# Altium PCB Farmduino.PcbDoc (part 2 of 3)
Units mm, origin at the board's own origin, x right, y up, seen from the top; angles counter-clockwise.
Board outline 134.37 x 105.55 mm, 4 copper layers (TOP, GND, VCC, BOTTOM), stack 0.844 mm thick; 272 components, 240 nets, 1041 pads, 348 vias.
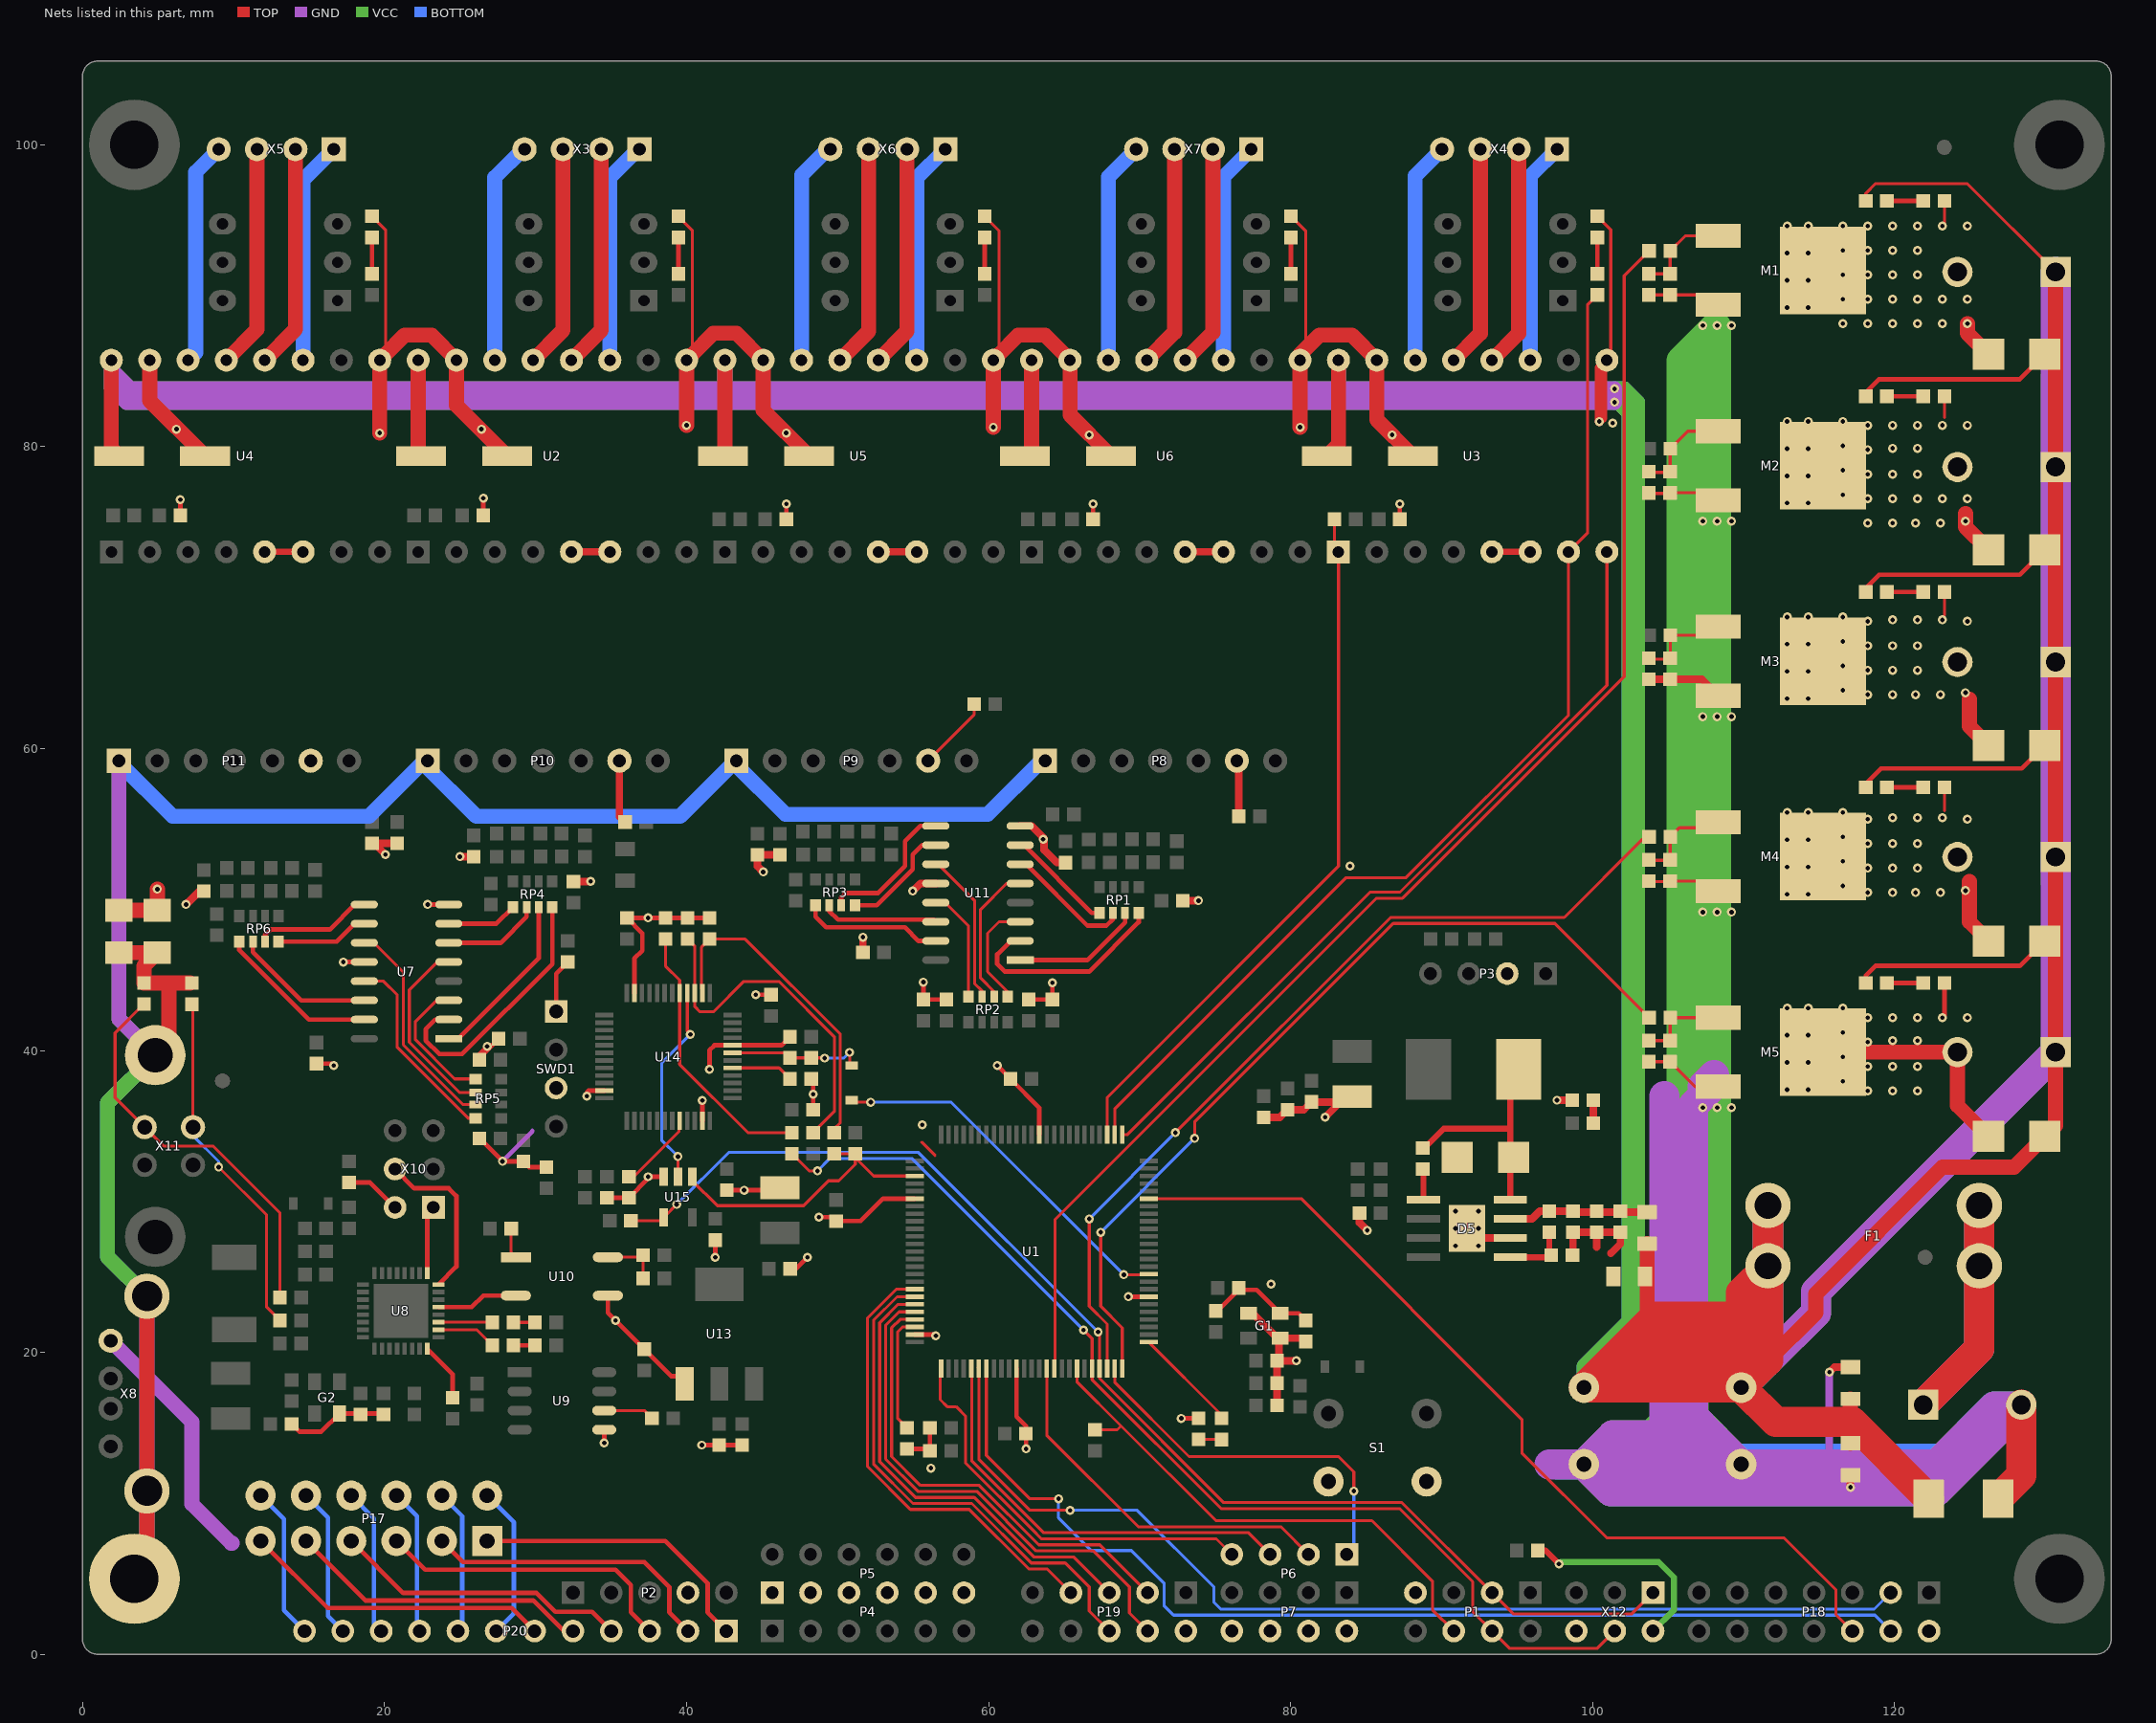
[diagram p4: the nets of this part, all layers, seen from the top]

## Via types
v1: diameter 0.6, hole 0.3, TOP to BOTTOM, 348 vias

## Nets (pads, with @x,y where several pads share a name; then routed paths per layer and width w, separated by ;. In a path a pad name is that pad's centre, name@x,y a point inside that pad or via, vN(x,y) a via of type N, cw(c..) or ccw(c..) an arc to the next point about the centre after c; other vN are vias at no path point) (continued)
24V: C8.1 C9.1 C10.1 C11.1 C12.1 C19.1 C20.1 C21.1 D2.2 E2.1 E3.1 F1.1 L3.1 P12.1 P13.1 P14.1 P15.1 P16.1 R2.1 R3.1 R4.1 R5.1 R24.1 U2.16 U3.16 U4.16 U5.16 U6.16 V1.2 V2.2 V3.2 V4.2 V5.2 | length 1189.5
  TOP w0.2: R24.1@118.102,96.546 118.102,96.79 118.737,97.425 124.833,97.425 P12.1@130.675,91.583
  TOP w0.3: R5.1@118.102,44.73 118.102,44.974 118.737,45.609 128.309,45.609 V4.2@129.96,47.26 ; R4.1@118.102,57.684 119.107,58.69 128.436,58.69 V3.2@129.96,60.214 ; R3.1@118.102,70.638 118.98,71.517 128.309,71.517 V2.2@129.96,73.168 ; R2.1@118.102,83.592 118.98,84.471 128.309,84.471 V1.2@129.96,86.122 ; 123.182,32.274 123.309,32.401
  TOP w1: U4.16@1.897,85.74 1.897,79.899 C12.1@2.405,79.391 ; C11.1@22.217,79.581 U2.16@22.217,85.74 ; C10.1@42.537,79.518 U5.16@42.537,85.74 ; C9.1@62.413,79.391 62.857,79.835 U6.16@62.857,85.74 ; C8.1@82.415,79.391 83.177,80.153 U3.16@83.177,85.74 ; 103.621,21.857 L3.1@103.621,27.204 ; 111.625,19.447 114.8,22.622 114.8,23.892 123.182,32.274 127.928,32.274 V5.2@129.96,34.306 130.675,35.021 P16.1@130.675,39.894 V4.2@130.675,47.975 ; C21.1@117.083,13.975 117.083,15.383 C20.1@117.083,16.917 ; V4.2@129.96,47.26 V4.2@130.675,47.975 ; V3.2@129.96,60.214 V3.2@130.675,60.929 ; V2.2@129.96,73.168 V2.2@130.675,73.883 ; V1.2@129.96,86.122 V1.2@130.675,86.837 ; P12.1@130.675,91.583 V1.2@130.675,86.837 ; V4.2@130.675,47.975 P15.1@130.675,52.816 V3.2@130.675,60.929 ; V3.2@130.675,60.929 P14.1@130.675,65.738 V2.2@130.675,73.883 ; V2.2@130.675,73.883 P13.1@130.675,78.661 V1.2@130.675,86.837
  TOP w2: F1.1@111.625,29.734 F1.1@111.625,25.734 ; D2.2@122.286,10.303 117.206,15.383 117.083,15.383 112.133,15.383 E3.1@109.847,17.669 ; 101.084,19.32 109.847,19.32 ; 101.084,19.32 102.608,20.844 ; 101.084,19.32 E2.1@99.433,17.669 E3.1@109.847,17.669 ; 102.608,20.844 103.621,21.857 104.132,22.368 109.847,22.368 ; 102.608,20.844 109.847,20.844 ; E3.1@109.847,17.669 109.847,19.32 ; E3.1@109.847,17.669 111.498,19.32 ; 109.847,19.32 111.498,19.32 ; 109.847,19.32 109.847,20.844 ; 109.847,20.844 109.847,22.368 ; 109.847,22.368 109.847,23.956 F1.1@111.625,25.734 ; 111.498,19.32 111.625,19.447 F1.1@111.625,25.734
  GND w1: U4.16@1.897,85.74 U4.16@1.897,85.106 ; U2.16@22.217,85.74 22.217,83.836 ; 42.537,84.09 U5.16@42.537,85.74 ; U6.16@62.857,85.74 62.857,83.836 ; U3.16@83.177,85.74 83.177,83.836 ; U4.16@1.897,85.106 1.897,83.963 2.913,82.947 v1(101.465,82.947) v1(101.465,83.836) 83.177,83.836 ; U4.16@1.897,85.106 3.167,83.836 22.217,83.836 ; 22.217,83.836 62.857,83.836 ; 62.857,83.836 83.177,83.836
  GND w2: E3.1@109.847,17.669 111.625,19.447 ; F1.1@111.625,29.734 F1.1@111.625,25.734 111.625,19.447 ; P12.1@130.675,91.583 P13.1@130.675,78.661 P14.1@130.675,65.738 P15.1@130.675,52.816 P16.1@130.675,39.894 114.8,24.019 114.8,22.622 111.625,19.447
  VCC w0.2: F1.1@111.625,29.099 F1.1@111.625,29.734 F1.1@111.625,29.988
  VCC w1: U4.16@1.897,85.74 U4.16@1.897,85.106 ; U2.16@22.217,85.74 22.217,83.836 ; 42.537,83.963 U5.16@42.537,85.74 ; U6.16@62.857,85.74 62.857,83.836 ; U3.16@83.177,85.74 83.177,83.836 ; U4.16@1.897,85.106 1.897,83.963 2.913,82.947 v1(101.465,82.947) 101.719,82.947 102.419,82.247 102.419,22.052 99.433,19.066 E2.1@99.433,17.669 102.989,21.225 102.989,82.947 102.1,83.836 v1(101.465,83.836) 83.177,83.836 ; U4.16@1.897,85.106 3.167,83.836 22.217,83.836 ; 22.217,83.836 62.857,83.836 ; 62.857,83.836 83.177,83.836
  VCC w2: E3.1@109.847,17.669 111.625,19.447 ; F1.1@111.625,29.099 F1.1@111.625,25.734 111.625,19.447 ; P16.1@130.675,39.894 114.8,24.019 114.8,22.622 111.625,19.447 ; 130.675,51.1 P15.1@130.675,52.816 P14.1@130.675,65.738 P13.1@130.675,78.661 130.675,84.687
  BOTTOM w1: P16.1@130.644,39.925 130.644,84.718 ; P13.1@130.675,78.661 P12.1@130.675,91.583 ; E2.1@99.433,17.669 99.433,19.066 102.419,22.052 102.419,82.247 101.719,82.947 v1(101.465,82.947) v1(101.465,83.836) 102.1,83.836 102.989,82.947 102.989,21.225 E2.1@99.433,17.669
/OE: R59.1 R66.1 U1.78 U15.1 | length 19.8
  TOP w0.2: U15.1@40.378,31.639 40.378,31.377 42.037,29.718 47.752,29.718 49.403,31.369 50.08,31.369 51.173,32.463 R66.1@51.173,32.909 ; R59.1@49.776,33.163 R66.1@50.919,33.163 ; U1.78@55.107,31.686 52.396,31.686 R66.1@51.173,32.909 ; R66.1@50.919,33.163 R66.1@51.173,33.163 R66.1@51.173,32.909 ; R66.1@50.919,33.163 R66.1@51.173,32.909
/RST_STM32: C75.2 D3.1 R58.2 U14.7 | length 9.2
  TOP w0.2: U14.7@43.045,39.846 46.768,39.846 C75.2@47.104,39.51 ; C75.2@46.855,39.51 C75.2@47.104,39.51 ; v1(49.149,39.497) 49.136,39.51 R58.2@48.26,39.51 C75.2@47.104,39.51 ; v1(50.8,39.878) 50.8,39.13 D3.1@50.927,39.003
  BOTTOM w0.2: v1(49.149,39.497) 50.419,39.497 v1(50.8,39.878)
/SS_U1: P1.6 R1.1 U1.19 | length 35.6
  TOP w0.2: U1.19@65.857,18.936 65.857,18.049 68.777,15.129 ; R1.1@67.048,14.875 68.523,14.875 68.777,15.129 ; P1.6@90.813,1.54 89.4,2.953 89.4,4.842 85.393,8.849 75.057,8.849 68.777,15.129
AREF: C2.1 U1.98 | length 7.9
  TOP w0.2: C2.1@54.602,15.002 53.986,15.618 53.986,21.371 54.301,21.686 U1.98@55.107,21.686
AUX_DIR(D41): U1.51 U3.8 | length 53.3
  TOP w0.2: U1.51@68.857,34.436 69.21,34.436 85.266,50.492 87.252,50.492 100.957,64.197 U3.8@100.957,73.04
AUX_EN(D37): R26.2 U1.53 U3.1 | length 47.2
  TOP w0.2: U1.53@67.857,34.436 67.857,36.893 83.177,52.213 U3.1@83.177,73.04 82.92,73.297 R26.2@82.92,75.2
AUX_STEP(D40): R51.1 U1.52 U3.7 | length 71.2
  TOP w0.2: U1.52@68.357,34.436 68.357,36.123 83.685,51.451 87.645,51.451 98.417,62.223 U3.7@98.417,73.04 99.687,74.31 99.687,89.424 R51.1@100.322,90.059
BOOT0: R57.2 U14.44 | length 5.3
  TOP w0.2: R57.2@36.187,31.642 36.515,31.642 39.495,34.622 39.495,35.296 U14.44@39.545,35.346
D4: P6.7 U1.1 | length 27.5
  TOP w0.2: U1.1@56.857,18.936 56.796,18.875 56.796,16.872 57.269,16.399 57.85,16.399 58.485,15.764 58.485,12.658 62.857,8.286 62.859,8.286 63.496,7.649 75.084,7.649 P6.7@76.113,6.62
D5: P6.5 U1.5 | length 28.5
  TOP w0.2: U1.5@58.857,18.936 58.885,18.908 58.885,12.826 63.662,8.049 77.224,8.049 P6.5@78.653,6.62
D6: P6.3 U1.15 | length 25
  TOP w0.2: U1.15@63.857,18.936 63.857,14.51 69.918,8.449 79.364,8.449 P6.3@81.193,6.62
D11: P6.1 U1.24 | length 24.9
  TOP w0.2: U1.24@68.357,18.936 68.357,18.02 73.28,13.097 83.177,13.097 84.193,12.081 v1(84.193,10.811)
  BOTTOM w0.2: P6.1@83.733,6.62 84.193,7.08 v1(84.193,10.811)
D+: R44.1 X11.3 Z2.2 | length 26.7
  TOP w0.2: Z2.2@4.056,43.077 2.151,41.172 2.151,36.877 X11.3@4.107,34.921 5.357,33.671 8.628,33.671 13.073,29.226 R44.1@13.073,23.638
D-: R43.1 X11.2 Z1.2 | length 23.4
  TOP w0.2: Z1.2@7.231,43.066 7.307,42.99 X11.2@7.307,34.921 ; v1(9.009,32.274) 12.184,29.099 12.184,23.003 R43.1@13.073,22.114
  BOTTOM w0.2: X11.2@7.307,34.921 7.307,34.357 9.009,32.655 v1(9.009,32.274)
DTR: U8.13 U10.2 | length 5.4
  TOP w0.3: U8.13@23.574,22.999 25.769,22.999 26.535,23.765 U10.2@28.694,23.765
GND: AUX.2 C1.2 C2.2 C3.2 C4.1 C5.2 C6.2 C7.2 C8.2 C9.2 C10.2 C11.2 C12.2 C13.2 C14.2 C15.1 C16.1 C17.1 C18.1 C19.2 C20.2 C21.2 C26.2 C28.1 C33.2 C34.2 C37.2 C39.1 C40.1 C41.1 C42.1 C46.1 C48.1 C49.1 C52.1 C53.2 C54.1 C55.2 C56.1 C57.1 C58.2 C61.2 C62.2 C63.2 C64.2 C65.2 C66.2 C68.2 C69.1 C70.1 C71.1 C72.1 C73.1 C74.2 C75.1 C76.2 D2.1 D5.6 D5.9 E1.2 E2.2 E3.2 E5.2 G1.2 G1.4 GRE1.2 M1.3 M2.3 M3.3 M4.3 M5.3 P1.7 P2.4 P3.2 P4.2 P4.4 P4.6 P4.8 P4.10 P4.12 P5.1 P5.3 P5.5 P5.7 P5.9 P5.11 P7.2 P7.4 P7.6 P7.8 P8.6 P9.6 P10.6 P11.6 P18.2 P19.2 R11.1 R12.1 R13.2 R14.1 R15.1 R27.2 R28.2 R32.2 R33.2 R34.2 R49.1 R56.1 R57.1 R62.1 R63.1 R64.1 R67.2 R69.2 R78.2 R85.2 R86.2 R92.2 R93.2 R98.2 R99.2 R104.2 R105.2 RED6.2 S1.1 SWD1.3 U1.11 U1.32 U1.62 U1.81 U1.99 U2.9 U2.15 U3.9 U3.15 U4.9 U4.15 U5.9 U5.15 U6.9 U6.15 U7.8 U7.12 U9.5 U10.3 U11.8 U11.12 U13.1 U14.8 U14.23 U14.35 U14.47 U15.3 V6.1 X1.2 X2.2 X8.4 X9.2 X12.6 Y.2 Z.2 | length 877
  TOP w0.2: X1.2@19.169,95.269 20.058,94.38 U4.9@20.058,86.121 ; X2.2@39.457,95.269 40.378,94.348 U2.9@40.378,86.121 ; P9.6@55.999,59.198 59.044,62.243 C74.2@59.044,62.941 ; Y.2@59.746,95.269 60.698,94.316 U5.9@60.698,86.121 ; Z.2@80.034,95.269 81.018,94.285 81.018,86.503 ; AUX.2@100.322,95.269 101.211,94.38 101.211,85.994 U3.9@100.957,85.74 ; R15.1@103.728,39.259 C73.1@105.148,39.259 106.799,37.608 M5.3@108.323,37.608 ; R14.1@103.728,51.197 C72.1@105.116,51.197 ; R12.1@103.751,76.904 105.106,76.904 C70.1@105.148,76.946 107.832,76.946 M2.3@108.323,76.455 ; R11.1@103.751,90.059 C69.1@105.148,90.059 107.668,90.059 M1.3@108.323,89.404 ; C72.1@105.148,51.229 M4.3@107.651,51.229
  TOP w0.203: 55.566,33.925 56.455,33.036
  TOP w0.3: R32.2@6.472,75.454 v1(6.472,76.491) ; C33.2@15.486,39.129 16.505,39.129 v1(16.629,39.005) ; v1(17.264,45.863) U7.12@18.661,45.863 ; v1(22.852,49.673) U7.8@24.304,49.673 ; C52.1@26.281,34.179 v1(27.805,32.655) C54.1@29.202,32.655 29.583,32.274 C46.1@30.726,32.274 ; C56.1@26.281,39.267 C56.1@26.281,39.386 C56.1@26.281,39.512 ; R27.2@26.538,75.454 v1(26.538,76.594) ; v1(26.789,40.275) 26.281,39.767 C56.1@26.281,39.512 ; C57.1@27.552,40.783 C56.1@26.281,39.512 ; v1(33.393,36.973) 33.393,37.227 33.512,37.346 U14.35@34.545,37.346 ; v1(34.548,13.998) U9.5@34.548,14.875 ; R56.1@34.727,30.242 R57.1@36.187,30.242 37.457,31.512 v1(37.457,31.639) U15.3@38.478,31.639 ; U10.3@34.794,23.765 34.794,22.621 v1@35.3,22.115 ; v1(35.298,22.114) v1@35.3,22.115 ; U14.23@36.545,43.803 36.545,46.094 37.076,46.625 37.076,47.768 C49.1@36.06,48.784 v1(37.457,48.784) R62.1@38.6,48.784 R63.1@40.061,48.784 R64.1@41.521,48.784 ; U13.1@39.875,18.421 38.994,18.421 C26.2@37.203,20.212 v1@35.3,22.115 ; v1(41.013,13.859) C48.1@42.156,13.859 ; U14.47@41.045,35.346 v1(41.045,36.687) ; v1(41.521,38.751) 41.521,40.021 41.846,40.346 U14.8@43.045,40.346 46.291,40.346 C75.1@46.855,40.91 ; v1(41.902,26.305) C3.2@41.902,27.445 ; C48.1@42.159,13.856 C61.2@43.68,13.856 ; C55.2@42.664,30.747 v1(43.807,30.747) E5.2@46.036,30.747 ; v1(44.58,43.691) C76.2@45.593,43.691 ; R33.2@46.604,75.2 v1(46.604,76.213) ; C62.2@46.858,25.543 47.236,25.543 v1(47.998,26.305) ; R67.2@48.255,38.116 48.382,37.989 v1(48.382,37.097) C53.2@48.382,36.084 ; v1(48.768,28.956) 49.654,28.956 C65.2@49.911,28.699 51.534,28.699 53.021,30.186 U1.81@55.107,30.186 ; C2.2@54.602,13.602 C5.2@55.999,13.602 ; U1.99@55.107,21.186 56.419,21.186 v1(56.507,21.098) ; v1(55.682,44.53) C40.1@55.682,43.374 C39.1@57.206,43.374 ; C5.2@56.123,13.478 C6.2@56.123,15.002 ; v1(60.571,39.002) C64.2@61.457,38.116 63.357,36.216 U1.62@63.357,34.436 ; 61.857,17.034 61.857,15.748 ; U1.11@61.857,18.936 61.857,15.748 ; v1(62.479,13.608) C66.2@62.479,14.621 62.479,15.126 61.857,15.748 ; C41.1@62.667,43.374 C42.1@64.233,43.374 v1(64.233,44.487) ; R34.2@66.924,75.2 v1(66.924,76.213) ; v1(69.255,23.686) U1.32@70.607,23.686 ; v1(72.768,15.632) GRE1.2@73.912,15.632 ; R28.2@87.244,75.2 v1(87.244,76.213) ; D5.9@91.686,28.21 D5.9@92.321,27.575
  TOP w0.5: v1(6.85,49.673) 7.737,50.56 R104.2@8.025,50.56 ; C14.2@19.169,53.734 C14.2@19.299,53.734 ; v1(20.058,52.975) C14.2@19.299,53.734 ; R105.2@20.82,53.734 C14.2@19.299,53.734 ; v1(24.985,52.845) R98.2@25.9,52.845 ; R99.2@32.504,51.2 v1(33.644,51.2) ; P10.6@35.552,59.071 35.552,55.512 C34.2@35.93,55.134 ; v1(45.077,51.832) 44.696,52.213 R93.2@44.696,52.967 R92.2@46.187,52.967 ; C68.2@51.678,46.498 v1@51.678,47.511 ; v1(54.983,50.562) 55.491,51.07 U11.12@56.507,51.07 ; U11.8@62.095,54.88 62.857,54.88 v1@63.683,54.054 ; v1(63.619,53.991) v1@63.683,54.054 ; R85.2@65.107,52.449 64.526,52.449 63.683,53.292 v1@63.683,54.054 ; R86.2@72.857,49.927 v1(73.906,49.927) ; C58.2@76.57,55.515 P8.6@76.57,58.947 ; G1.4@77.215,22.59 77.494,22.59 79.144,20.94 G1.2@79.315,20.94 ; C16.1@78.224,35.576 79.304,35.576 C17.1@79.812,36.084 80.891,36.084 C18.1@81.399,36.592 E1.2@83.304,36.592 ; C7.2@79.116,16.484 C63.2@79.116,17.965 79.116,19.32 C1.2@79.243,19.447 ; v1(80.383,19.447) C1.2@79.243,19.447 ; C4.1@81.018,20.717 80.795,20.94 G1.2@79.315,20.94 ; v1(82.288,35.576) E1.2@83.304,36.592 ; E1.2@84.091,36.945 83.657,36.945 E1.2@83.304,36.592 ; R78.2@84.571,29.226 84.571,28.594 v1(85.082,28.083) ; D5.9@92.321,27.575 D5.6@94.561,27.575 ; v1(97.649,36.708) RED6.2@98.662,36.708 ; R69.2@98.674,26.432 98.713,26.471 C15.1@98.713,27.956 C13.2@101.843,27.956 ; 100.28,26.982 C37.2@100.28,27.953 ; 101.211,26.559 101.846,27.194 C13.2@101.846,27.953 ; R13.2@103.728,64.59 107.239,64.59 M3.3@108.323,63.506 ; v1(115.689,18.685) 116.021,19.017 C20.2@117.083,19.017 ; v1(117.083,11.068) C21.2@117.083,11.875 ; C1.2@79.243,19.447 79.243,20.868 G1.2@79.315,20.94
  TOP w0.6: U3.9@100.957,85.74 U3.9@100.665,85.448 ; U3.9@100.665,85.448 100.449,85.232 v1(100.449,81.677) 100.665,81.893 U3.9@100.665,85.448
  TOP w1: C28.1@2.405,49.292 R49.1@4.945,49.292 v1(4.945,50.689) ; U4.15@4.437,85.74 4.437,83.059 C12.2@8.105,79.391 ; v1(19.677,80.915) U4.9@19.677,85.74 20.058,86.121 21.329,87.392 23.105,87.392 U2.15@24.757,85.74 24.757,82.741 C11.2@28.108,79.391 ; v1(39.997,81.423) U2.9@39.997,85.74 40.378,86.121 41.776,87.519 43.298,87.519 U5.15@45.077,85.74 45.077,82.424 C10.2@48.11,79.391 ; v1(60.317,81.296) U5.9@60.317,85.74 60.698,86.121 61.969,87.392 63.745,87.392 U6.15@65.397,85.74 65.397,82.106 C9.2@68.113,79.391 ; v1(80.637,81.296) U6.9@80.637,85.74 80.637,86.122 81.018,86.503 81.907,87.392 84.065,87.392 U3.15@85.717,85.74 85.717,81.789 C8.2@88.115,79.391
  TOP w2: D2.1@126.858,10.303 128.412,11.857 X9.2@128.412,16.526
  GND w0.3: v1(27.805,32.655) 29.785,34.635 29.785,34.687
  GND w0.5: 115.689,12.843 v1(115.689,18.685)
  GND w1: X8.4@1.858,20.772 7.239,15.391 7.239,9.955 9.828,7.366 9.891,7.366
  GND w2: 97.156,12.589 E2.2@99.433,12.589 ; 104.767,36.973 104.767,15.002 105.275,14.494 ; 107.307,37.608 108.069,38.37 ; 107.942,37.735 107.942,37.608 106.672,36.338 106.672,15.764 107.942,14.494 ; E2.2@99.433,12.589 101.211,10.811 122.801,10.811 128.412,16.422 126.634,16.422 122.801,12.589 E3.2@109.847,12.589 ; E2.2@99.433,12.589 101.338,14.494 105.275,14.494 ; E2.2@99.433,12.589 107.18,12.589 ; 105.275,14.494 107.18,12.589 ; 105.275,14.494 107.942,14.494 ; 107.18,12.589 E3.2@109.847,12.589 ; 107.942,14.494 E3.2@109.847,12.589
  VCC w2: 108.133,14.303 106.704,15.732 ; E2.2@99.433,12.589 107.688,12.589 ; E2.2@99.433,12.589 101.338,14.494 103.878,14.494 ; E2.2@99.433,12.589 101.211,10.811 122.801,10.811 128.412,16.422 126.634,16.422 122.801,12.589 E3.2@109.847,12.589 ; 103.878,14.494 105.91,14.494 ; 103.878,14.494 105.91,16.526 ; 105.91,14.494 105.91,16.526 ; 105.91,14.494 105.91,14.367 107.688,12.589 ; 105.91,16.526 106.704,15.732 ; 105.91,16.526 105.91,19.574 ; 105.91,19.574 106.704,20.368 ; 105.91,19.574 105.91,85.677 106.704,86.471 ; 106.704,15.732 E3.2@109.847,12.589 ; 106.704,15.732 106.704,20.368 ; 106.704,20.368 108.196,21.86 108.196,87.963 106.704,86.471 ; 106.704,20.368 106.704,86.471 ; 107.688,12.589 E3.2@109.847,12.589
  BOTTOM w2: 97.691,12.589 E2.2@99.433,12.589 ; X9.2@128.135,16.145 122.801,10.811 101.211,10.811 E2.2@99.433,12.589 ; E2.2@99.433,12.589 E3.2@109.847,12.589 122.801,12.589 123.182,12.97 ; E2.2@99.433,12.589 99.814,12.97 123.182,12.97 ; 123.182,12.97 126.611,16.399 128.135,16.399 124.706,12.97 123.182,12.97
  other v1: 56.175,12.335 78.708,24.527 90.924,27.067 92.448,27.067 90.924,28.21 92.448,28.21 90.924,29.353 92.448,29.353 55.618,35.082 107.307,36.211 108.26,36.211 109.212,36.211 51.681,47.514 107.307,49.165 108.26,49.165 109.212,49.165 83.939,52.213 107.307,62.119 108.26,62.119 109.212,62.119 107.307,75.073 108.26,75.073 109.212,75.073 66.667,80.788 86.733,80.788 46.601,80.915 6.215,81.169 26.408,81.169 101.338,81.569 107.307,88.027 108.26,88.027 109.212,88.027
LED(D13): R21.1 U1.26 | length 7.1
  TOP w0.2: U1.26@70.607,20.686 75.436,15.857 R21.1@75.436,15.629
LIGHTING(D7): R6.1 U1.16 | length 91.1
  TOP w0.2: U1.16@64.407,19.193 64.407,28.802 85.697,50.092 87.418,50.092 102.1,64.774 102.1,91.329 R6.1@103.751,92.98
MISO_U1: P1.3 R68.1 U1.22 U15.4 X12.1 | length 84.4
  TOP w0.2: R68.1@36.314,28.718 U15.4@38.257,28.718 ; U15.4@38.478,28.939 v1(39.343,29.804) ; v1(67.257,21.356) 67.357,21.256 U1.22@67.357,18.936 67.357,18.262 75.57,10.049 87.384,10.049 P1.3@93.353,4.08 94.75,2.683 102.616,2.683 X12.1@104.013,4.08
  GND w0.2: v1@67.175,21.438 v1(67.257,21.356)
  BOTTOM w0.2: v1(39.343,29.804) 42.788,33.249 55.364,33.249 v1(67.257,21.356)
MISO_U4: U8.17 X10.1 | length 4.5
  TOP w0.3: U8.17@22.824,25.249 22.824,29.198 X10.1@23.233,29.607
MOSI_U1: P1.4 R61.1 U1.21 X12.4 | length 72
  TOP w0.2: R61.1@46.982,33.163 48.125,32.02 v1(48.664,32.02) ; v1(66.286,21.479) 66.857,20.908 U1.21@66.857,18.936 66.857,18.196 75.404,9.649 87.218,9.649 92.067,4.8 92.067,2.826 P1.4@93.353,1.54 94.496,0.397 100.33,0.397 X12.4@101.473,1.54
  BOTTOM w0.2: v1(48.664,32.02) 49.493,32.849 54.916,32.849 v1(66.286,21.479)
MOSI_U4: U8.16 X10.4 | length 11.2
  TOP w0.3: X10.4@20.693,32.147 21.963,30.877 24.249,30.877 24.757,30.369 24.757,25.682 U8.16@23.574,24.499
NetAUX_1: AUX.1 R51.2 | length 2.4
  TOP w0.3: R51.2@100.322,91.459 AUX.1@100.322,93.869
NetC4_2: C4.2 G1.3 R18.2 R19.1 | length 7.4
  TOP w0.3: R18.2@75.049,22.752 75.179,22.752 76.573,24.146 77.759,24.146 G1.3@79.315,22.59 80.545,22.59 C4.2@81.018,22.117
NetC13_1: C13.1 C15.2 C37.1 D5.7 L3.2 R77.1 | length 9.5
  TOP w0.5: D5.7@94.561,28.845 96.004,28.845 96.512,29.353 R77.1@97.147,29.353 97.15,29.356 C15.2@98.713,29.356 ; C15.2@98.713,29.565 C15.2@98.713,29.356 ; L3.2@103.621,29.304 98.765,29.304 C15.2@98.713,29.356
NetC24_1: C24.1 G2.3 R39.2 R42.1 | length 6.8
  TOP w0.3: C24.1@13.835,15.256 14.343,14.748 15.807,14.748 G2.3@17.009,15.95 19.872,15.95 R42.1@19.931,15.891
NetC27_2: C27.2 R47.1 U10.4 | length 3.9
  TOP w0.2: U10.4@34.794,26.305 37.002,26.305 37.126,26.429 R47.1@37.126,24.908
NetC43_1: C43.1 D5.8 L1.1 V6.2 | length 15.2
  TOP w0.4: C43.1@88.765,33.544 88.892,33.544 90.162,34.814 94.561,34.814 ; D5.8@94.561,30.115 94.561,34.814 ; L1.1@95.115,38.751 94.561,38.197 94.561,34.814
NetC43_2: C43.2 D5.1 | length 2
  TOP w0.4: D5.1@88.811,30.115 C43.2@88.811,32.098
NetC69_2: C69.2 M1.1 R6.2 R11.2 | length 6.5
  TOP w0.2: R11.2@103.751,91.459 C69.2@105.148,91.459 105.148,92.977 R6.2@105.151,92.98 106.147,93.976 M1.1@108.323,93.976
NetC70_2: C70.2 M2.1 R7.2 R12.2 | length 6.5
  TOP w0.2: R12.2@103.751,78.304 C70.2@105.106,78.304 ; C70.2@105.148,78.346 105.148,79.864 R7.2@105.151,79.867 106.311,81.027 M2.1@108.323,81.027
NetC71_2: C71.2 M3.1 R8.2 R13.1 | length 6.3
  TOP w0.2: R13.1@103.728,65.929 C71.2@105.082,65.929 ; C71.2@105.148,65.995 105.151,65.998 R8.2@105.151,67.516 107.762,67.516 M3.1@108.323,68.078
NetC72_2: C72.2 M4.1 R9.2 R14.2 | length 6.5
  TOP w0.2: R14.2@103.728,52.597 C72.2@105.116,52.597 ; C72.2@105.148,52.629 R9.2@105.148,54.147 ; R9.2@105.151,54.15 105.754,54.753 107.947,54.753 M4.1@108.323,55.129
NetC73_2: C73.2 M5.1 R10.2 R15.2 | length 6.4
  TOP w0.2: R15.2@103.728,40.659 C73.2@105.148,40.659 105.148,42.177 R10.2@105.151,42.18 ; R10.2@104.897,42.18 M5.1@108.323,42.18
NetD3_2: D3.2 U1.35 | length 24.5
  TOP w0.2: D3.2@50.927,36.703 51.054,36.576 v1(52.197,36.576) ; v1(68.961,25.146) 70.567,25.146 U1.35@70.607,25.186
  BOTTOM w0.2: v1(52.197,36.576) 57.531,36.576 v1(68.961,25.146)
NetD5_5: D5.5 R69.1 R77.2 | length 4.3
  TOP w0.4: D5.5@94.561,26.305 97.147,26.305 R69.1@97.274,26.432 97.147,26.559 R77.2@97.147,27.953
NetF1_2: F1.2 X9.1 | length 59
  TOP w2: X9.1@121.912,16.526 125.625,20.239 F1.2@125.625,25.734 F1.2@125.625,29.734
  GND w2: X9.1@121.912,16.526 125.625,20.239 F1.2@125.625,25.734 F1.2@125.625,29.734
  VCC w2: X9.1@121.912,16.526 125.625,20.239 F1.2@125.625,25.734 F1.2@125.625,29.734
  BOTTOM w2: X9.1@121.912,16.526 125.625,20.239 F1.2@125.625,25.734 F1.2@125.625,29.734
NetGRE1_1: GRE1.1 R21.2 | length 1.5
  TOP w0.2: GRE1.1@73.912,14.232 R21.2@75.433,14.232
NetLED1_1: LED1.1 R24.2 | length 2.4
  TOP w0.3: R24.2@119.502,96.292 LED1.1@121.912,96.292
NetLED1_2: LED1.2 M1.4 P12.2 V1.1 | length 4.4
  TOP w0.2: v1@123.312,94.761 LED1.2@123.312,96.546
  TOP w1: v1(124.833,88.154) 124.833,87.519 V1.1@126.23,86.122
  other v1: 116.578,88.154 118.229,88.154 119.88,88.154 121.531,88.154 123.182,88.154 112.895,89.221 114.292,89.221 116.578,89.773 118.229,89.773 119.88,89.773 121.531,89.773 123.182,89.773 124.833,89.773 112.895,91.024 114.292,91.024 116.578,91.392 118.229,91.392 119.88,91.392 121.531,91.392 112.895,92.827 114.292,92.827 116.578,93.012 118.229,93.012 119.88,93.012 121.531,93.012 112.895,94.631 114.292,94.631 116.578,94.631 118.229,94.631 119.88,94.631 121.531,94.631 123.182,94.631 124.833,94.631
NetLED2_1: LED2.1 R2.2 | length 2.4
  TOP w0.3: R2.2@119.502,83.338 LED2.1@121.912,83.338
NetLED2_2: LED2.2 M2.4 P13.2 V2.1 | length 4.7
  TOP w0.2: 123.312,81.934 LED2.2@123.312,83.592
  TOP w1: 124.706,75.581 124.706,74.692 V2.1@126.23,73.168
  other v1: 118.229,74.946 119.88,74.946 121.404,74.946 123.055,74.946 124.706,75.073 112.895,76.267 114.292,76.267 118.229,76.565 119.88,76.565 121.531,76.565 123.182,76.565 124.833,76.565 116.578,76.819 112.895,78.07 114.292,78.07 118.229,78.184 119.88,78.184 121.531,78.184 116.578,78.438 118.229,79.804 112.895,79.873 114.292,79.873 119.88,79.899 121.531,79.899 116.578,80.058 118.229,81.423 119.88,81.423 121.531,81.423 123.182,81.423 124.833,81.423 112.895,81.677 114.292,81.677 116.578,81.677
NetLED3_1: LED3.1 R3.2 | length 2.4
  TOP w0.3: R3.2@119.502,70.384 LED3.1@121.912,70.384
NetLED3_2: LED3.2 M3.4 P14.2 V3.1 | length 5.4
  TOP w0.2: 123.312,68.853 LED3.2@123.312,70.638
  TOP w1: 124.96,63.262 124.96,61.484 V3.1@126.23,60.214
  other v1: 112.895,63.313 114.292,63.313 118.229,63.576 119.88,63.576 121.404,63.576 123.055,63.576 124.706,63.703 116.578,63.865 112.895,65.116 114.292,65.116 118.229,65.195 119.88,65.195 121.531,65.195 116.578,65.484 118.229,66.814 119.88,66.814 121.531,66.814 112.895,66.919 114.292,66.919 116.578,67.104 118.229,68.434 124.833,68.434 119.88,68.529 121.531,68.529 123.182,68.529 112.895,68.723 114.292,68.723 116.578,68.723
NetLED4_1: LED4.1 R4.2 | length 2.4
  TOP w0.3: R4.2@119.502,57.43 LED4.1@121.912,57.43
NetLED4_2: LED4.2 M4.4 P15.2 V4.1 | length 6.2
  TOP w0.2: 123.312,55.899 LED4.2@123.312,57.684
  TOP w1: 124.96,51.197 124.96,48.53 V4.1@126.23,47.26
  other v1: 112.895,50.359 114.292,50.359 118.229,50.465 119.88,50.465 121.404,50.465 123.055,50.465 124.706,50.592 116.578,50.911 118.229,52.084 119.88,52.084 121.531,52.084 112.895,52.162 114.292,52.162 116.578,52.53 118.229,53.703 119.88,53.703 121.531,53.703 112.895,53.965 114.292,53.965 116.578,54.15 118.229,55.323 124.833,55.323 119.88,55.418 121.531,55.418 123.182,55.418 112.895,55.769 114.292,55.769 116.578,55.769
NetLED5_1: LED5.1 R5.2 | length 2.4
  TOP w0.3: R5.2@119.502,44.466 LED5.1@121.912,44.466
NetLED5_2: LED5.2 M5.4 P16.2 V5.1 | length 17.8
  TOP w0.3: v1@123.312,42.31 LED5.2@123.312,44.73
  TOP w1: M5.4@115.263,39.894 P16.2@124.175,39.894 124.175,36.361 V5.1@126.23,34.306
  other v1: 118.229,37.322 119.88,37.322 121.531,37.322 112.895,37.405 114.292,37.405 116.578,37.957 118.229,38.941 119.88,38.941 121.531,38.941 112.895,39.208 114.292,39.208 116.578,39.576 118.229,40.561 119.88,40.656 121.531,40.656 112.895,41.011 114.292,41.011 116.578,41.196 118.229,42.18 119.88,42.18 121.531,42.18 123.182,42.18 124.833,42.18 112.895,42.815 114.292,42.815 116.578,42.815
NetP17_1: P17.1 P20.1 | length 19.5
  TOP w0.3: P17.1@26.789,7.509 38.6,7.509 41.394,4.715 41.394,2.779 P20.1@42.633,1.54
NetP17_2: P17.2 P20.2 | length 19.8
  TOP w0.3: P17.2@23.789,7.509 25.194,6.104 37.211,6.104 38.854,4.461 38.854,2.779 P20.2@40.093,1.54
NetP17_3: P17.3 P20.3 | length 20.3
  TOP w0.3: P17.3@20.789,7.509 22.694,5.604 35.298,5.604 36.314,4.588 36.314,2.779 P20.3@37.553,1.54
NetP17_4: P17.4 P20.4 | length 19.7
  TOP w0.3: P17.4@17.789,7.509 21.234,4.064 30.052,4.064 31.306,2.81 33.743,2.81 P20.4@35.013,1.54
NetP17_5: P17.5 P20.5 | length 20.2
  TOP w0.3: P17.5@14.789,7.509 18.734,3.564 29.845,3.564 31.869,1.54 P20.5@32.473,1.54
NetP17_6: P17.6 P20.6 | length 20.6
  TOP w0.3: P17.6@11.789,7.509 16.234,3.064 28.409,3.064 P20.6@29.933,1.54
NetP17_7: P17.7 P20.7 | length 10.2
  BOTTOM w0.3: P17.7@26.789,10.509 28.567,8.731 28.567,2.714 P20.7@27.393,1.54
NetP17_8: P17.8 P20.8 | length 9.6
  BOTTOM w0.3: P17.8@23.789,10.509 25.139,9.159 25.139,1.826 P20.8@24.853,1.54
NetP17_9: P17.9 P20.9 | length 9.6
  BOTTOM w0.3: P17.9@20.789,10.509 22.139,9.159 22.139,1.714 P20.9@22.313,1.54
NetP17_10: P17.10 P20.10 | length 9.8
  BOTTOM w0.3: P17.10@17.789,10.509 19.296,9.002 19.296,2.017 P20.10@19.773,1.54
NetP17_11: P17.11 P20.11 | length 10
  BOTTOM w0.3: P17.11@14.789,10.509 16.248,9.05 16.248,2.525 P20.11@17.233,1.54
NetP17_12: P17.12 P20.12 | length 10.2
  BOTTOM w0.3: P17.12@11.789,10.509 13.327,8.971 13.327,2.906 P20.12@14.693,1.54
NetR22_2: R22.2 X1.1 | length 2.4
  TOP w0.3: R22.2@19.169,91.459 X1.1@19.169,93.869
NetR23_2: R23.2 RED6.1 | length 1.5
  TOP w0.5: RED6.1@100.062,36.708 100.065,36.705 R23.2@100.065,35.184
NetR35_2: R35.2 X2.1 | length 2.4
  TOP w0.3: R35.2@39.457,91.459 X2.1@39.457,93.869
NetR36_2: R36.2 Y.1 | length 2.4
  TOP w0.3: R36.2@59.746,91.459 Y.1@59.746,93.869
NetR37_2: R37.2 Z.1 | length 2.4
  TOP w0.3: R37.2@80.034,91.459 Z.1@80.034,93.869
NetR40_1: R40.1 TX.2 | length 1.4
  TOP w0.2: R40.1@28.538,21.987 TX.2@29.961,21.987
NetR40_2: R40.2 U8.11 | length 3.6
  TOP w0.2: U8.11@23.574,21.999 R40.2@27.126,21.999
NetR41_1: R41.1 RX.2 | length 1.4
  TOP w0.3: R41.1@28.538,20.463 RX.2@29.961,20.463
NetR41_2: R41.2 U8.10 | length 4
  TOP w0.2: U8.10@23.574,21.499 26.102,21.499 R41.2@27.138,20.463
NetR45_2: R45.2 U8.8 | length 4
  TOP w0.3: U8.8@22.824,20.249 24.503,18.57 R45.2@24.503,16.994
NetR46_2: R46.2 U9.6 | length 3.4
  TOP w0.2: U9.6@34.548,16.145 37.2,16.145 R46.2@37.708,15.637
NetR48_2: R48.2 U10.1 | length 2
  TOP w0.2: R48.2@28.382,28.201 28.382,26.617 U10.1@28.694,26.305
NetR52_2: R52.2 X12.2 | length 14
  TOP w0.4: R52.2@96.388,6.874 96.893,6.874 v1(97.782,5.985)
  VCC w0.4: v1(97.782,5.985) 97.909,6.112 104.386,6.112 105.402,5.096 105.402,2.929 X12.2@104.013,1.54
NetR53_2: R53.2 X10.2 | length 3.7
  TOP w0.3: R53.2@17.645,31.255 19.045,31.255 X10.2@20.693,29.607
NetR55_2: R55.2 SWD1.1 | length 3.6
  TOP w0.3: SWD1.1@31.361,42.593 31.361,45.098 R55.2@32.123,45.86
NetR59_2: R59.2 R64.2 U14.14 | length 21.5
  TOP w0.2: U14.14@40.995,44.085 40.995,46.858 R64.2@41.521,47.384 43.879,47.384 50.184,41.079 50.184,35.222 49.776,34.814 R59.2@49.776,34.563
NetR60_2: R60.2 R63.2 U14.15 | length 23.3
  TOP w0.2: R63.2@40.061,47.384 40.545,46.899 U14.15@40.545,43.803 40.545,42.902 40.886,42.561 41.775,42.561 43.791,44.577 46.121,44.577 49.784,40.914 49.784,35.968 R60.2@48.379,34.563
NetR61_2: R61.2 R62.2 U14.17 | length 18
  TOP w0.2: R62.2@38.6,47.384 38.6,45.609 39.545,44.664 U14.17@39.545,43.803 39.545,39.076 44.058,34.563 R61.2@46.982,34.563
NetR67_1: R67.1 U14.5 | length 4.1
  TOP w0.2: U14.5@43.045,38.846 46.125,38.846 R67.1@46.855,38.116
NetRP1_5: RP1.5 U11.7 | length 6.9
  TOP w0.3: U11.7@62.349,53.61 66.843,49.116 RP1.5@67.343,49.116
NetRP1_6: RP1.6 U11.6 | length 8.4
  TOP w0.3: U11.6@62.095,52.34 62.476,52.34 66.54,48.276 67.81,48.276 68.243,48.709 RP1.6@68.243,49.116
NetRP1_7: RP1.7 U11.1 | length 8.6
  TOP w0.3: U11.1@62.095,45.99 66.54,45.99 69.043,48.493 RP1.7@69.043,49.116
NetRP1_8: RP1.8 U11.2 | length 14.1
  TOP w0.3: U11.2@62.095,47.26 61.46,47.26 60.571,46.371 60.571,45.736 61.079,45.228 66.667,45.228 69.943,48.504 RP1.8@69.943,49.116
NetRP2_1: RP2.1 U11.3 | length 7.2
  TOP w0.2: RP2.1@61.27,43.577 61.27,43.894 59.936,45.228 59.936,47.768 60.698,48.53 U11.3@62.095,48.53
NetRP2_2: RP2.2 U11.5 | length 9.5
  TOP w0.2: RP2.2@60.37,43.577 60.37,43.905 59.47,44.805 59.47,49.334 61.206,51.07 U11.5@62.095,51.07
NetRP2_3: RP2.3 U11.11 | length 10.1
  TOP w0.2: U11.11@56.507,52.34 56.665,52.34 59.07,49.935 59.07,44.443 59.57,43.943 RP2.3@59.57,43.577
NetRP2_4: RP2.4 U11.13 | length 7.5
  TOP w0.2: U11.13@56.507,49.8 57.142,49.8 58.67,48.272 RP2.4@58.67,43.577
NetRP3_5: RP3.5 U11.15 | length 9.4
  TOP w0.3: RP3.5@48.543,49.624 48.543,48.874 49.253,48.164 54.46,48.164 55.364,47.26 U11.15@56.507,47.26
NetRP3_6: RP3.6 U11.14 | length 7.7
  TOP w0.3: RP3.6@49.443,49.624 49.443,49.251 50.03,48.664 56.373,48.664 U11.14@56.507,48.53
NetRP3_7: RP3.7 U11.9 | length 9.5
  TOP w0.3: RP3.7@50.243,49.624 50.243,50.14 50.538,50.435 52.697,50.435 54.475,52.213 54.475,53.864 55.491,54.88 U11.9@56.253,54.88
NetRP3_8: RP3.8 U11.10 | length 7.6
  TOP w0.3: RP3.8@51.143,49.624 52.593,49.624 54.975,52.006 54.975,52.967 55.618,53.61 U11.10@56.507,53.61
NetRP4_5: RP4.5 U7.7 | length 4.7
  TOP w0.3: U7.7@24.249,48.403 27.413,48.403 RP4.5@28.507,49.497
NetRP4_6: RP4.6 U7.6 | length 6.5
  TOP w0.3: U7.6@24.249,47.133 27.678,47.133 29.407,48.862 RP4.6@29.407,49.497
NetRP4_7: RP4.7 U7.1 | length 11.6
  TOP w0.3: U7.1@24.249,40.783 24.884,40.783 30.207,46.106 RP4.7@30.207,49.497
NetRP4_8: RP4.8 U7.2 | length 17.5
  TOP w0.3: U7.2@24.249,42.053 23.36,42.053 22.725,41.418 22.725,40.662 23.62,39.767 25.138,39.767 31.107,45.736 RP4.8@31.107,49.497
NetRP5_1: RP5.1 U7.3 | length 9.1
  TOP w0.2: U7.3@24.249,43.323 23.437,43.323 22.04,41.926 22.04,40.711 24.635,38.116 RP5.1@26.027,38.116
NetRP5_2: RP5.2 U7.5 | length 12.6
  TOP w0.2: U7.5@24.249,45.863 23.487,45.863 21.64,44.016 21.64,40.545 24.969,37.216 RP5.2@26.027,37.216
NetRP5_3: RP5.3 U7.11 | length 14.6
  TOP w0.2: U7.11@18.661,47.133 19.296,47.133 21.24,45.189 21.24,40.379 25.203,36.416 RP5.3@26.027,36.416
NetRP5_4: RP5.4 U7.13 | length 13.2
  TOP w0.2: U7.13@18.661,44.593 19.931,44.593 20.84,43.684 20.84,40.213 25.538,35.516 RP5.4@26.027,35.516
NetRP6_5: RP6.5 U7.15 | length 11.1
  TOP w0.3: RP6.5@10.378,47.212 10.378,46.653 14.978,42.053 U7.15@18.661,42.053 U7.15@19.042,42.053
NetRP6_6: RP6.6 U7.14 | length 9.8
  TOP w0.3: RP6.6@11.278,47.212 11.278,46.515 14.47,43.323 U7.14@18.661,43.323 U7.14@19.042,43.323
NetRP6_7: RP6.7 U7.9 | length 7.9
  TOP w0.3: RP6.7@12.078,47.212 12.078,47.662 12.438,48.022 16.375,48.022 18.026,49.673 U7.9@18.661,49.673
NetRP6_8: RP6.8 U7.10 | length 6.2
  TOP w0.3: RP6.8@12.978,47.212 16.835,47.212 18.026,48.403 U7.10@18.661,48.403
NetU2_5: U2.5 U2.6 | length 2.5
  TOP w0.5: U2.5@32.377,73.04 U2.6@34.917,73.04
NetU2_11: U2.11 X3.1 | length 14.7
  BOTTOM w1: U2.11@34.917,85.74 34.917,97.838 X3.1@36.79,99.711
NetU2_12: U2.12 X3.2 | length 14.8
  TOP w1: U2.12@32.377,85.74 34.346,87.708 X3.2@34.346,99.711
NetU2_13: U2.13 X3.3 | length 14.8
  TOP w1: U2.13@29.837,85.74 31.806,87.708 X3.3@31.806,99.711
NetU2_14: U2.14 X3.4 | length 14.7
  BOTTOM w1: U2.14@27.297,85.74 27.297,97.838 X3.4@29.17,99.711
NetU3_5: U3.5 U3.6 | length 2.5
  TOP w0.4: U3.5@93.337,73.04 U3.6@95.877,73.04
NetU3_11: U3.11 X4.1 | length 14.7
  BOTTOM w1: U3.11@95.877,85.74 95.877,97.933 X4.1@97.655,99.711
NetU3_12: U3.12 X4.2 | length 14.7
  TOP w1: U3.12@93.337,85.74 95.115,87.518 X4.2@95.115,99.711
NetU3_13: U3.13 X4.3 | length 14.7
  TOP w1: U3.13@90.797,85.74 92.575,87.518 X4.3@92.575,99.711
NetU3_14: U3.14 X4.4 | length 14.7
  BOTTOM w1: U3.14@88.257,85.74 88.257,97.933 X4.4@90.035,99.711
NetU4_5: U4.5 U4.6 | length 2.5
  TOP w0.4: U4.5@12.057,73.04 U4.6@14.597,73.04
NetU4_11: U4.11 X5.1 | length 14.8
  BOTTOM w1: U4.11@14.597,85.74 14.597,97.679 X5.1@16.629,99.711
NetU4_12: U4.12 X5.2 | length 14.8
  TOP w1: U4.12@12.057,85.74 14.089,87.772 X5.2@14.089,99.711
NetU4_13: U4.13 X5.3 | length 14.8
  TOP w1: U4.13@9.517,85.74 11.549,87.772 X5.3@11.549,99.711
NetU4_14: U4.14 X5.4 | length 14.8
  BOTTOM w1: U4.14@6.977,85.74 7.485,86.248 7.485,98.187 X5.4@9.009,99.711
NetU5_5: U5.5 U5.6 | length 2.5
  TOP w0.5: U5.5@52.697,73.04 U5.6@55.237,73.04
NetU5_11: U5.11 X6.1 | length 14.8
  BOTTOM w1: U5.11@55.237,85.74 55.237,97.806 X6.1@57.142,99.711
NetU5_12: U5.12 X6.2 | length 14.8
  TOP w1: U5.12@52.697,85.74 54.602,87.645 X6.2@54.602,99.711
NetU5_13: U5.13 X6.3 | length 14.8
  TOP w1: U5.13@50.157,85.74 52.062,87.645 X6.3@52.062,99.711
NetU5_14: U5.14 X6.4 | length 14.7
  BOTTOM w1: U5.14@47.617,85.74 47.617,97.996 X6.4@49.332,99.711
NetU6_5: U6.5 U6.6 | length 2.5
  TOP w0.5: U6.5@73.017,73.04 U6.6@75.557,73.04
NetU6_11: U6.11 X7.1 | length 14.7
  BOTTOM w1: U6.11@75.557,85.74 75.557,97.869 X7.1@77.399,99.711
NetU6_12: U6.12 X7.2 | length 14.7
  TOP w1: U6.12@73.017,85.74 74.859,87.581 X7.2@74.859,99.711
NetU6_13: U6.13 X7.3 | length 14.7
  TOP w1: U6.13@70.477,85.74 72.319,87.581 X7.3@72.319,99.711
NetU6_14: U6.14 X7.4 | length 14.7
  BOTTOM w1: U6.14@67.937,85.74 67.937,97.869 X7.4@69.779,99.711
NetU14_16: U14.16 U15.2 | length 13.5
  TOP w0.2: U15.2@39.428,31.639 v1(39.428,32.975) ; U14.16@40.045,43.803 40.045,41.28 v1(40.251,41.074)
  BOTTOM w0.2: v1(39.428,32.975) 38.346,34.057 38.346,39.169 v1(40.251,41.074)
PD2(D19): P18.6 U1.45 | length 60.7
  TOP w0.2: U1.45@70.607,30.186 80.705,30.186 95.331,15.56 95.331,13.331 100.95,7.712 112.692,7.712 116.123,4.281 116.123,2.63 P18.6@117.213,1.54
PE: C28.2 P8.1 P9.1 P10.1 P11.1 pad.0@3.429,5 R49.2 X8.5 X8.6 X11.5 Z1.1 Z2.1 | length 213.8
  TOP w1: C28.2@2.405,46.492 R49.2@4.945,46.492 4.056,45.603 Z2.1@4.056,44.477 5.707,44.477 ; pad.0@3.421,4.588 4.258,5.425 X8.5@4.258,10.822 X8.6@4.258,23.722 ; X11.5@4.807,39.691 5.707,40.591 5.707,44.477 ; Z1.1@7.104,44.477 5.707,44.477
  GND w1: P11.1@2.405,59.071 2.405,42.093 X11.5@4.807,39.691 ; pad.0@3.421,4.588 4.258,5.425 X8.5@4.258,10.822
  VCC w1: P11.1@2.405,59.071 2.405,42.093 X11.5@4.807,39.691 1.643,36.527 1.643,26.337 X8.6@4.258,23.722 ; pad.0@3.421,4.588 4.258,5.425 X8.5@4.258,10.822
  BOTTOM w1: P11.1@2.405,59.071 5.961,55.515 ; pad.0@3.421,4.588 4.258,5.425 X8.5@4.258,10.822 X8.6@4.258,23.722 1.643,26.337 1.643,36.527 X11.5@4.807,39.691 ; 6.977,55.515 5.961,55.515 ; P8.1@63.746,59.071 63.365,59.071 59.936,55.642 46.559,55.642 43.13,59.071 39.574,55.515 26.069,55.515 22.513,59.071 18.957,55.515 5.961,55.515
PE4(D2): P18.3 U1.6 | length 71.6
  TOP w0.2: U1.6@59.307,18.986 U1.6@59.357,18.936 59.357,12.919 62.736,9.541 v1(65.397,9.541)
  BOTTOM w0.2: v1(65.397,9.541) 69.842,9.541 74.922,4.461 74.922,3.445 75.377,2.99 118.663,2.99 P18.3@119.753,4.08
PE5(D3): P18.4 U1.7 | length 72.1
  TOP w0.2: U1.7@59.857,18.936 59.857,13.176 62.73,10.303 v1(64.635,10.303)
  BOTTOM w0.2: v1(64.635,10.303) 64.635,9.033 66.794,6.874 69.461,6.874 71.62,4.715 71.62,3.225 72.255,2.59 118.703,2.59 P18.4@119.753,1.54
PERIPH4(D10): R9.1 U1.23 | length 57.4
  TOP w0.2: v1(66.667,28.845) 66.667,23.066 67.857,21.876 U1.23@67.857,18.936 ; v1(72.382,34.56) 86.638,48.816 98.129,48.816 103.299,53.986
  BOTTOM w0.2: v1(66.667,28.845) v1(72.382,34.56)
PERIPH5(D12): R10.1 U1.25 | length 57.6
  TOP w0.2: v1(67.429,27.956) 67.429,23.055 68.857,21.627 U1.25@68.857,18.936 ; v1(73.652,34.179) 73.652,35.264 86.803,48.416 97.515,48.416 R10.1@103.751,42.18
  BOTTOM w0.2: v1(67.429,27.956) v1(73.652,34.179)
PF0(A0): P19.3 U1.97 | length 31
  TOP w0.2: U1.97@55.107,22.186 54.142,22.186 53.586,21.63 53.586,13.097 55.491,11.192 59.385,11.192 63.328,7.249 67.364,7.249 P19.3@70.533,4.08
PF1(A1): P19.4 U1.96 | length 34.2
  TOP w0.2: U1.96@55.107,22.686 54.077,22.686 53.186,21.795 53.186,12.931 55.325,10.792 59.22,10.792 63.163,6.849 66.946,6.849 69.334,4.461 69.334,2.739 P19.4@70.533,1.54
PF2(A2): P19.5 U1.95 | length 30.8
  TOP w0.2: U1.95@55.107,23.186 54.011,23.186 52.786,21.961 52.786,12.766 55.16,10.392 59.054,10.392 62.997,6.449 65.624,6.449 P19.5@67.993,4.08
PF3(A3): P19.6 U1.94 | length 34
  TOP w0.2: U1.94@55.107,23.686 53.945,23.686 52.386,22.127 52.386,12.6 54.994,9.992 58.888,9.992 62.831,6.049 65.079,6.049 66.667,4.461 66.667,2.866 P19.6@67.993,1.54
PF4(A4): P19.7 U1.93 | length 30.7
  TOP w0.2: U1.93@55.107,24.186 53.88,24.186 51.986,22.292 51.986,12.434 54.828,9.592 58.723,9.592 62.666,5.649 63.884,5.649 P19.7@65.453,4.08